# Altium PCB EDA-04211-V4_0_pcb.pcbdoc (part 2 of 12)
Units mm, origin at the board's own origin, x right, y up, seen from the top; angles counter-clockwise.
Board outline 304.8 x 128.5 mm, 14 copper layers (Top Layer, L2, L3GND, L4, L5GND, L6, L7GND, L8, L9GND, L10, L11GND, L12, L13GND, Bottom Layer), stack 4.06 mm thick; 143 components, 1224 nets, 5334 pads, 591 vias.
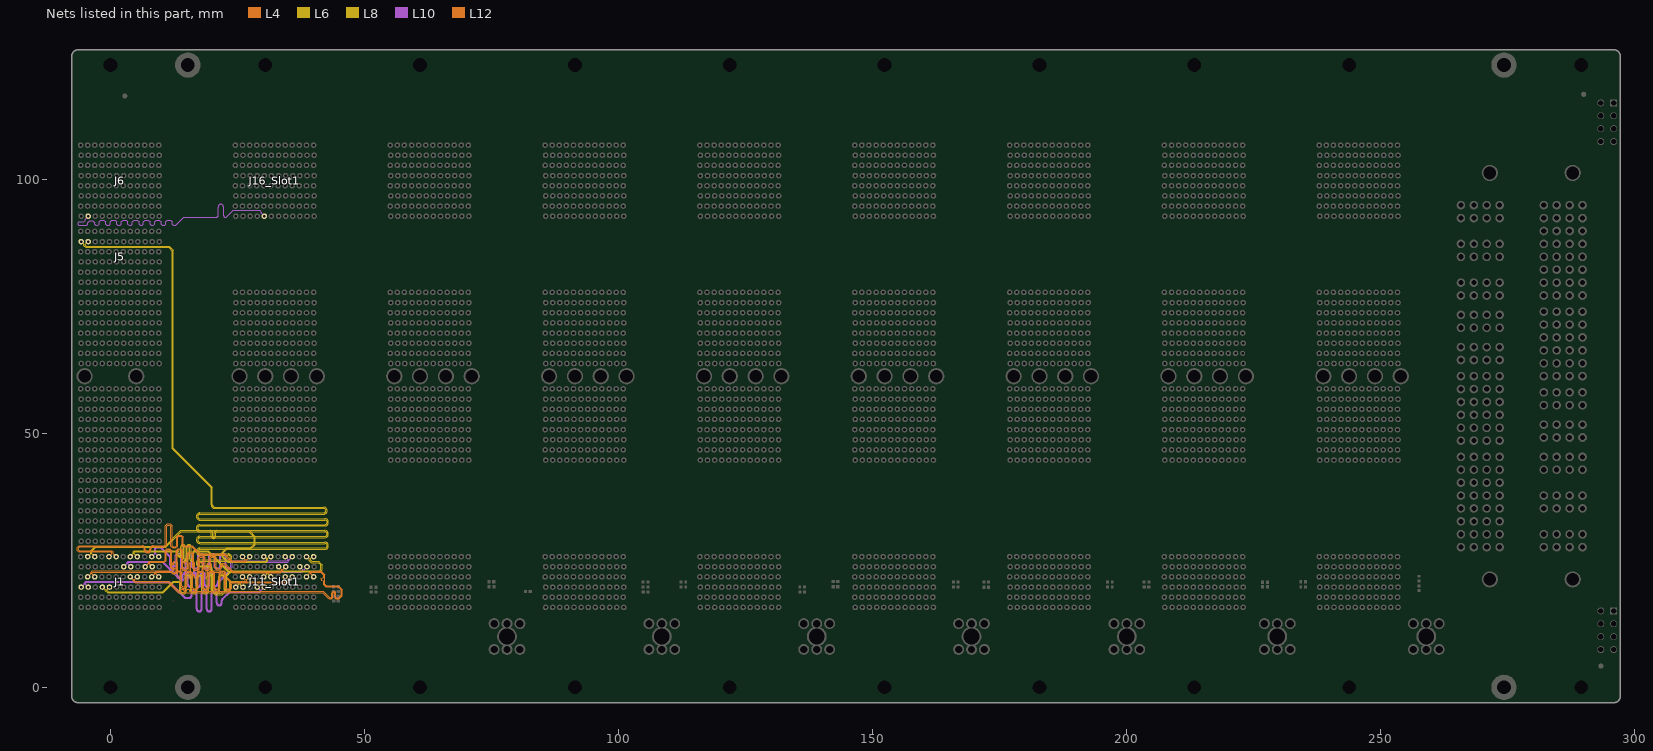
[diagram p14: the nets of this part, all layers, seen from the top]

## Classes and differential pairs (continued)
differential pair 3_DIFF_7: +3_DIFF_7_P -3_DIFF_7_N
differential pair 3_DIFF_6: +3_DIFF_6_P -3_DIFF_6_N
differential pair 3_DIFF_5: +3_DIFF_5_P -3_DIFF_5_N
differential pair 3_DIFF_4: +3_DIFF_4_P -3_DIFF_4_N
differential pair 3_DIFF_3: +3_DIFF_3_P -3_DIFF_3_N
differential pair 3_DIFF_2: +3_DIFF_2_P -3_DIFF_2_N
differential pair 3_DIFF_1: +3_DIFF_1_P -3_DIFF_1_N
differential pair 3_DIFF_0: +3_DIFF_0_P -3_DIFF_0_N
differential pair 3_CLK: +3_CLK_P -3_CLK_N
differential pair 2_MGT_Tx: +2_MGT_Tx_P -2_MGT_Tx_N
differential pair 2_MGT_Rx: +2_MGT_Rx_P -2_MGT_Rx_N
differential pair 2_DIFF_14: +2_DIFF_14_P -2_DIFF_14_N
differential pair 2_DIFF_13: +2_DIFF_13_P -2_DIFF_13_N
differential pair 2_DIFF_12: +2_DIFF_12_P -2_DIFF_12_N
differential pair 2_DIFF_11: +2_DIFF_11_P -2_DIFF_11_N
differential pair 2_DIFF_10: +2_DIFF_10_P -2_DIFF_10_N
differential pair 2_DIFF_9: +2_DIFF_9_P -2_DIFF_9_N
differential pair 2_DIFF_8: +2_DIFF_8_P -2_DIFF_8_N
differential pair 2_DIFF_7: +2_DIFF_7_P -2_DIFF_7_N
differential pair 2_DIFF_6: +2_DIFF_6_P -2_DIFF_6_N
differential pair 2_DIFF_5: +2_DIFF_5_P -2_DIFF_5_N
differential pair 2_DIFF_4: +2_DIFF_4_P -2_DIFF_4_N
differential pair 2_DIFF_3: +2_DIFF_3_P -2_DIFF_3_N
differential pair 2_DIFF_2: +2_DIFF_2_P -2_DIFF_2_N
differential pair 2_DIFF_1: +2_DIFF_1_P -2_DIFF_1_N
differential pair 2_DIFF_0: +2_DIFF_0_P -2_DIFF_0_N
differential pair 2_CLK: +2_CLK_P -2_CLK_N
differential pair 1_MGT_Tx: +1_MGT_Tx_P -1_MGT_Tx_N
differential pair 1_MGT_Rx: +1_MGT_Rx_P -1_MGT_Rx_N
differential pair 1_DIFF_14: +1_DIFF_14_P -1_DIFF_14_N
differential pair 1_DIFF_13: +1_DIFF_13_P -1_DIFF_13_N
differential pair 1_DIFF_12: +1_DIFF_12_P -1_DIFF_12_N
differential pair 1_DIFF_11: +1_DIFF_11_P -1_DIFF_11_N
differential pair 1_DIFF_10: +1_DIFF_10_P -1_DIFF_10_N
differential pair 1_DIFF_9: +1_DIFF_9_P -1_DIFF_9_N
differential pair 1_DIFF_8: +1_DIFF_8_P -1_DIFF_8_N
differential pair 1_DIFF_6: +1_DIFF_6_P -1_DIFF_6_N
differential pair 1_DIFF_5: +1_DIFF_5_P -1_DIFF_5_N
differential pair 1_DIFF_4: +1_DIFF_4_P -1_DIFF_4_N
differential pair 1_DIFF_3: +1_DIFF_3_P -1_DIFF_3_N
differential pair 1_DIFF_2: +1_DIFF_2_P -1_DIFF_2_N
differential pair 1_DIFF_1: +1_DIFF_1_P -1_DIFF_1_N
differential pair 1_DIFF_0: +1_DIFF_0_P -1_DIFF_0_N
differential pair 1_CLK: +1_CLK_P -1_CLK_N

## Components (designator, comment, footprint, x,y, rotation, side; value= is the part's Value field where it differs from the comment)
B1 "Non Plated Hole" MTG270_500_NPTH_8FCVIAS_BOTSM 15.24,0 r90 bottom
B2 "Non Plated Hole" MTG270_500_NPTH_8FCVIAS_BOTSM 15.24,122.5 r90 bottom
B3 "Non Plated Hole" MTG270_500_NPTH_8FCVIAS_BOTSM 274.32,0 r90 bottom
B4 "Non Plated Hole" MTG270_500_NPTH_8FCVIAS_BOTSM 274.32,122.5 r90 bottom
B5 "Non Plated Hole" MTG270 213.36,122.5 r90 top
B6 "Non Plated Hole" MTG270 243.84,122.5 r90 top
B7 "Non Plated Hole" MTG270 289.56,122.5 r90 top
B8 "Non Plated Hole" MTG270 91.44,0 r90 top
B9 "Non Plated Hole" MTG270 91.44,122.5 r90 top
B10 "Non Plated Hole" MTG270 121.92,122.5 r90 top
B11 "Non Plated Hole" MTG270 152.4,122.5 r90 top
B12 "Non Plated Hole" MTG270 182.88,122.5 r90 top
B13 "Non Plated Hole" MTG270 60.96,122.5 r90 top
B14 "Non Plated Hole" MTG270 0,0 r90 top
B15 "Non Plated Hole" MTG270 30.48,0 r90 top
B16 "Non Plated Hole" MTG270 60.96,0 r90 top
B17 "Non Plated Hole" MTG270 0,122.5 r90 top
B18 "Non Plated Hole" MTG270 289.56,0 r90 top
B19 "Non Plated Hole" MTG270 121.92,0 r90 top
B20 "Non Plated Hole" MTG270 30.48,122.5 r90 top
B21 "Non Plated Hole" MTG270 152.4,0 r90 top
B22 "Non Plated Hole" MTG270 182.88,0 r90 top
B23 "Non Plated Hole" MTG270 213.36,0 r90 top
B24 "Non Plated Hole" MTG270 243.84,0 r90 top
BUSH1 "M3" WURTH_7461057 229.703,10 r180 bottom
BUSH2 "M3" WURTH_7461057 169.51,10 r180 bottom
BUSH3 "M3" WURTH_7461057 259.024,10 r180 bottom
BUSH4 "M3" WURTH_7461057 200.087,10 r180 bottom
BUSH5 "M3" WURTH_7461057 78.07,10 r180 bottom
BUSH6 "M3" WURTH_7461057 108.55,10 r180 bottom
BUSH7 "M3" WURTH_7461057 139.03,10 r180 bottom
C1 "10nF" CAPC1005X55N 44.4,17 r180 top
C2 "10nF" CAPC1005X55N 44.401,17.932 r180 top
C3 "10nF" CAPC1005X55N 44.4,18.9 r180 top
C4 "10nF" CAPC1005X55N 142.728,19.82 r180 top
C5 "10nF" CAPC1005X55N 142.734,20.823 r180 top
C6 "10nF" CAPC1005X55N 172.422,20.747 r180 top
C7 "10nF" CAPC1005X55N 51.803,18.75 r0 top
C8 "10nF" CAPC1005X55N 75,20.8 r180 top
C9 "10nF" CAPC1005X55N 82.184,18.854 r0 top
C10 "10nF" CAPC1005X55N 203.948,19.727 r180 top
C11 "10nF" CAPC1005X55N 105.347,18.784 r180 top
C12 "10nF" CAPC1005X55N 136.169,18.778 r180 top
FTG1 "Use only in PCB" FIDUCIAL_TOP_C100-200 290.02,116.75 r90 top
FTG2 "Use only in PCB" FIDUCIAL_TOP_C100-200 293.4,4.2 r90 top
FTG3 "Use only in PCB" FIDUCIAL_TOP_C100-200 2.839,116.419 r90 top
GUIDE1 "CPCI-S Guide" EDA-04126-V1-0 35.56,61.25 r180 bottom
GUIDE2 "CPCI-S Guide" EDA-04126-V1-0 66.04,61.25 r180 bottom
GUIDE3 "CPCI-S Guide" EDA-04126-V1-0 96.52,61.25 r180 bottom
GUIDE4 "CPCI-S Guide" EDA-04126-V1-0 127,61.25 r180 bottom
GUIDE5 "CPCI-S Guide" EDA-04126-V1-0 157.48,61.25 r180 bottom
GUIDE6 "CPCI-S Guide" EDA-04126-V1-0 187.96,61.25 r180 bottom
GUIDE7 "CPCI-S Guide" EDA-04126-V1-0 218.44,61.25 r180 bottom
GUIDE8 "CPCI-S Guide" EDA-04126-V1-0 248.92,61.25 r180 bottom
GUIDE9 "CPCI-S Guide" EDA-04126-V1-0 0,61.25 r0 top
GUIDE10 "CPCI-S Guide" EDA-04126-V1-0 30.48,61.25 r0 top
GUIDE11 "CPCI-S Guide" EDA-04126-V1-0 60.96,61.25 r0 top
GUIDE12 "CPCI-S Guide" EDA-04126-V1-0 91.44,61.25 r0 top
GUIDE13 "CPCI-S Guide" EDA-04126-V1-0 121.94,61.25 r0 top
GUIDE14 "CPCI-S Guide" EDA-04126-V1-0 152.4,61.25 r0 top
GUIDE15 "CPCI-S Guide" EDA-04126-V1-0 182.88,61.25 r0 top
GUIDE16 "CPCI-S Guide" EDA-04126-V1-0 213.36,61.25 r0 top
GUIDE17 "CPCI-S Guide" EDA-04126-V1-0 243.84,61.25 r0 top
J1 "AirMax VS" AMPHENOL_10052829-101LF 1.87,20.75 r270 top
J2 "AirMax VS" AMPHENOL_10052842-101LF#1 1.87,35.75 r270 top
J3 "AirMax VS" AMPHENOL_10052842-101LF#1 1.87,51.75 r270 top
J4 "AirMax VS" AMPHENOL_10052842-101LF#1 1.87,70.75 r270 top
J5 "AirMax VS" AMPHENOL_10052829-101LF 1.87,84.75 r270 top
J6 "AirMax VS" AMPHENOL_10052842-101LF#1 1.87,99.75 r270 top
J7 "PwrBlade" AMPHENOL_51940-650 282.16,94.92 r180 bottom locked
J8 "PwrBlade" AMPHENOL_51940-650 265.85,27.6 r180 top locked
J9 "BCS-104-L-D-TE" SAMTEC_BCS-104-L-D-TE 294.652,111.25 r90 top
J10 "BCS-104-L-D-TE" SAMTEC_BCS-104-L-D-TE 294.652,11.25 r90 top
J11_Slot1 "AirMax VS" AMPHENOL_10052829-101LF 32.35,20.75 r270 top (schematic designator J11)
J11_Slot2 "AirMax VS" AMPHENOL_10052829-101LF 62.83,20.75 r270 top (schematic designator J11)
J11_Slot3 "AirMax VS" AMPHENOL_10052829-101LF 93.31,20.75 r270 top (schematic designator J11)
J11_Slot4 "AirMax VS" AMPHENOL_10052829-101LF 123.79,20.75 r270 top (schematic designator J11)
J11_Slot5 "AirMax VS" AMPHENOL_10052829-101LF 154.27,20.75 r270 top (schematic designator J11)
J11_Slot6 "AirMax VS" AMPHENOL_10052829-101LF 184.75,20.75 r270 top (schematic designator J11)
J11_Slot7 "AirMax VS" AMPHENOL_10052829-101LF 215.23,20.75 r270 top (schematic designator J11)
J11_Slot8 "AirMax VS" AMPHENOL_10052829-101LF 245.71,20.75 r270 top (schematic designator J11)
J13_Slot1 "AirMax VS" AMPHENOL_10052842-101LF#1 32.35,51.75 r270 top locked (schematic designator J13)
J13_Slot2 "AirMax VS" AMPHENOL_10052842-101LF#1 62.83,51.75 r270 top locked (schematic designator J13)
J13_Slot3 "AirMax VS" AMPHENOL_10052842-101LF#1 93.31,51.75 r270 top locked (schematic designator J13)
J13_Slot4 "AirMax VS" AMPHENOL_10052842-101LF#1 123.79,51.75 r270 top locked (schematic designator J13)
J13_Slot5 "AirMax VS" AMPHENOL_10052842-101LF#1 154.27,51.75 r270 top locked (schematic designator J13)
J13_Slot6 "AirMax VS" AMPHENOL_10052842-101LF#1 184.75,51.75 r270 top locked (schematic designator J13)
J13_Slot7 "AirMax VS" AMPHENOL_10052842-101LF#1 215.23,51.75 r270 top locked (schematic designator J13)
J13_Slot8 "AirMax VS" AMPHENOL_10052842-101LF#1 245.71,51.75 r270 top locked (schematic designator J13)
J14_Slot1 "AirMax VS" AMPHENOL_10052842-101LF#1 32.35,70.75 r270 top (schematic designator J14)
J14_Slot2 "AirMax VS" AMPHENOL_10052842-101LF#1 62.83,70.75 r270 top (schematic designator J14)
J14_Slot3 "AirMax VS" AMPHENOL_10052842-101LF#1 93.31,70.75 r270 top (schematic designator J14)
J14_Slot4 "AirMax VS" AMPHENOL_10052842-101LF#1 123.79,70.75 r270 top (schematic designator J14)
J14_Slot5 "AirMax VS" AMPHENOL_10052842-101LF#1 154.27,70.75 r270 top (schematic designator J14)
J14_Slot6 "AirMax VS" AMPHENOL_10052842-101LF#1 184.75,70.75 r270 top (schematic designator J14)
J14_Slot7 "AirMax VS" AMPHENOL_10052842-101LF#2 215.23,70.75 r270 top (schematic designator J14)
J14_Slot8 "AirMax VS" AMPHENOL_10052842-101LF#1 245.71,70.75 r270 top (schematic designator J14)
J16_Slot1 "AirMax VS" AMPHENOL_10052842-101LF#1 32.35,99.75 r270 top (schematic designator J16)
J16_Slot2 "AirMax VS" AMPHENOL_10052842-101LF#1 62.83,99.75 r270 top (schematic designator J16)
J16_Slot3 "AirMax VS" AMPHENOL_10052842-101LF#1 93.31,99.75 r270 top (schematic designator J16)
J16_Slot4 "AirMax VS" AMPHENOL_10052842-101LF#1 123.79,99.75 r270 top (schematic designator J16)
J16_Slot5 "AirMax VS" AMPHENOL_10052842-101LF#1 154.27,99.75 r270 top (schematic designator J16)
J16_Slot6 "AirMax VS" AMPHENOL_10052842-101LF#1 184.75,99.75 r270 top (schematic designator J16)
J16_Slot7 "AirMax VS" AMPHENOL_10052842-101LF#1 215.23,99.75 r270 top (schematic designator J16)
J16_Slot8 "AirMax VS" AMPHENOL_10052842-101LF#1 245.71,99.75 r270 top (schematic designator J16)
J23_Slot1 "AirMax VS" AMPHENOL_10114760-101LF#1 32.35,51.75 r90 bottom locked (schematic designator J23)
J23_Slot2 "AirMax VS" AMPHENOL_10114760-101LF#1 62.83,51.75 r90 bottom locked (schematic designator J23)
J23_Slot3 "AirMax VS" AMPHENOL_10114760-101LF#1 93.31,51.75 r90 bottom locked (schematic designator J23)
J23_Slot4 "AirMax VS" AMPHENOL_10114760-101LF#1 123.79,51.75 r90 bottom locked (schematic designator J23)
J23_Slot5 "AirMax VS" AMPHENOL_10114760-101LF#1 154.27,51.75 r90 bottom locked (schematic designator J23)
J23_Slot6 "AirMax VS" AMPHENOL_10114760-101LF#1 184.75,51.75 r90 bottom locked (schematic designator J23)
J23_Slot7 "AirMax VS" AMPHENOL_10114760-101LF#1 215.23,51.75 r90 bottom locked (schematic designator J23)
J23_Slot8 "AirMax VS" AMPHENOL_10114760-101LF#2 245.71,51.75 r90 bottom locked (schematic designator J23)
J24_Slot1 "AirMax VS" AMPHENOL_10114760-101LF#1 32.35,70.75 r90 bottom (schematic designator J24)
J24_Slot2 "AirMax VS" AMPHENOL_10114760-101LF#1 62.83,70.75 r90 bottom (schematic designator J24)
J24_Slot3 "AirMax VS" AMPHENOL_10114760-101LF#1 93.31,70.75 r90 bottom (schematic designator J24)
J24_Slot4 "AirMax VS" AMPHENOL_10114760-101LF#1 123.79,70.75 r90 bottom (schematic designator J24)
J24_Slot5 "AirMax VS" AMPHENOL_10114760-101LF#1 154.27,70.75 r90 bottom (schematic designator J24)
J24_Slot6 "AirMax VS" AMPHENOL_10114760-101LF#1 184.75,70.75 r90 bottom locked (schematic designator J24)
J24_Slot7 "AirMax VS" AMPHENOL_10114760-101LF#1 215.23,70.75 r90 bottom (schematic designator J24)
J24_Slot8 "AirMax VS" AMPHENOL_10114760-101LF#2 245.71,70.75 r90 bottom locked (schematic designator J24)
NT1 "Net Tie" "Net Tie" 12.58,17 r180 bottom net-tie
NT2 "Net Tie" "Net Tie" 12.618,15.784 r180 bottom net-tie
R1 "1k" RESC1005X40N 44.4,19.8 r180 top
R2 "1k" RESC1005X40N 51.8,19.7 r0 top
R3 "1k" RESC1005X40N 75,19.8 r180 top
R4 "1k" RESC1005X40N 105.347,20.765 r180 top
R5 "1k" RESC1005X40N 105.334,19.775 r180 top
R6 "1k" RESC1005X40N 112.788,20.734 r0 top
R7 "1k" RESC1005X40N 112.788,19.744 r0 top
R8 "1k" RESC1005X40N 136.169,19.744 r180 top
R9 "1k" RESC1005X40N 166.396,20.747 r0 top
R10 "1k" RESC1005X40N 166.396,19.744 r0 top
R11 "1k" RESC1005X40N 172.4,19.7 r180 top
R12 "1k" RESC1005X40N 196.744,20.709 r0 top
R13 "1k" RESC1005X40N 196.745,19.735 r0 top
R14 "1k" RESC1005X40N 203.942,20.734 r180 top
R15 "1k" RESC1005X40N 227.3,20.7 r0 top
R16 "1k" RESC1005X40N 227.3,19.8 r0 top
R17 "1k" RESC1005X40N 234.79,19.756 r180 top
R18 "1k" RESC1005X40N 234.79,20.785 r180 top
R19 "1k" RESC1005X40N 257.6,21.4 r90 top
R20 "1k" RESC1005X40N 257.6,19.5 r270 top

## Footprints (in the part's own frame and the unit in brackets; to place one, negate y for a bottom-side part, rotate by r counter-clockwise, add the part's x,y. Pads: shape width x height; smd on the part's side, far side on the other; paste and mask are expansions set on the pad)
AMPHENOL_51940-650 [mm] "Vertical PowerBlade Power Connector 3ACP + 2P + 24S + 4DCP Contacts"
  round 1.7 hole 1: A1(-7.62,-33.66) A2(-7.62,-31.12) A3(-7.62,-28.58) A4(-7.62,-26.04) A5(-7.62,-23.5) A6(-7.62,-20.96) B1(-5.08,-33.66) B2(-5.08,-31.12) B3(-5.08,-28.58) B4(-5.08,-26.04) B5(-5.08,-23.5) B6(-5.08,-20.96) C1(-2.54,-33.66) C2(-2.54,-31.12) C3(-2.54,-28.58) C4(-2.54,-26.04) C5(-2.54,-23.5) C6(-2.54,-20.96) D1(0,-33.66) D2(0,-31.12) D3(0,-28.58) D4(0,-26.04) D5(0,-23.5) D6(0,-20.96) P1(-7.62,-67.32) P1(-7.62,-64.78) P1(-5.08,-67.32) P1(-5.08,-64.78) P1(-2.54,-67.32) P1(-2.54,-64.78) P1(0,-67.32) P1(0,-64.78) P2(-7.62,-59.7) P2(-7.62,-57.16) P2(-5.08,-59.7) P2(-5.08,-57.16) P2(-2.54,-59.7) P2(-2.54,-57.16) P2(0,-59.7) P2(0,-57.16) P3(-7.62,-52.08) P3(-7.62,-49.54) P3(-5.08,-52.08) P3(-5.08,-49.54) P3(-2.54,-52.08) P3(-2.54,-49.54) P3(0,-52.08) P3(0,-49.54) P4(-7.62,-45.73) P4(-7.62,-43.19) P4(-5.08,-45.73) P4(-5.08,-43.19) P4(-2.54,-45.73) P4(-2.54,-43.19) P4(0,-45.73) P4(0,-43.19) P5(-7.62,-39.38) P5(-7.62,-36.84) P5(-5.08,-39.38) P5(-5.08,-36.84) P5(-2.54,-39.38) P5(-2.54,-36.84) P5(0,-39.38) P5(0,-36.84) P6(-7.62,-17.78) P6(-7.62,-15.24) P6(-5.08,-17.78) P6(-5.08,-15.24) P6(-2.54,-17.78) P6(-2.54,-15.24) P6(0,-17.78) P6(0,-15.24) P7(-7.62,-12.7) P7(-7.62,-10.16) P7(-5.08,-12.7) P7(-5.08,-10.16) P7(-2.54,-12.7) P7(-2.54,-10.16) P7(0,-12.7) P7(0,-10.16) P8(-7.62,-7.62) P8(-7.62,-5.08) P8(-5.08,-7.62) P8(-5.08,-5.08) P8(-2.54,-7.62) P8(-2.54,-5.08) P8(0,-7.62) P8(0,-5.08) P9(-7.62,-2.54) P9(-7.62,0) P9(-5.08,-2.54) P9(-5.08,0) P9(-2.54,-2.54) P9(-2.54,0) P9(0,-2.54) P9(0,0)
  round 3.2 hole 2.5 unplated: MTG1(-5.69,6.345) MTG2(-5.69,-73.665)
  silkscreen extent -8.99,-77.48 2.95,10.15, body extent -8.99,-77.48 2.95,10.16, height 17.02
AMPHENOL_10052829-101LF [mm] "72 Contacts, 2mm Pitch, 6 Columns, 4 Pairs per Column, Vertical Receptacle"
  round 1.1 hole 0.5: A1(5,-7.65) A2(3,-7.75) A3(1,-7.65) A4(-1,-7.75) A5(-3,-7.65) A6(-5,-7.75) B1(5,-6.25) B2(3,-6.35) B3(1,-6.25) B4(-1,-6.35) B5(-3,-6.25) B6(-5,-6.35) C1(5,-4.85) C2(3,-4.95) C3(1,-4.85) C4(-1,-4.95) C5(-3,-4.85) C6(-5,-4.95) D1(5,-3.45) D2(3,-3.55) D3(1,-3.45) D4(-1,-3.55) D5(-3,-3.45) D6(-5,-3.55) E1(5,-2.05) E2(3,-2.15) E3(1,-2.05) E4(-1,-2.15) E5(-3,-2.05) E6(-5,-2.15) F1(5,-0.65) F2(3,-0.75) F3(1,-0.65) F4(-1,-0.75) F5(-3,-0.65) F6(-5,-0.75) G1(5,0.75) G2(3,0.65) G3(1,0.75) G4(-1,0.65) G5(-3,0.75) G6(-5,0.65) H1(5,2.15) H2(3,2.05) H3(1,2.15) H4(-1,2.05) H5(-3,2.15) H6(-5,2.05) I1(5,3.55) I2(3,3.45) I3(1,3.55) I4(-1,3.45) I5(-3,3.55) I6(-5,3.45) J1(5,4.95) J2(3,4.85) J3(1,4.95) J4(-1,4.85) J5(-3,4.95) J6(-5,4.85) K1(5,6.35) K2(3,6.25) K3(1,6.35) K4(-1,6.25) K5(-3,6.35) K6(-5,6.25) L1(5,7.75) L2(3,7.65) L3(1,7.75) L4(-1,7.65) L5(-3,7.75) L6(-5,7.65)
  silkscreen extent -5.95,-9.45 5.95,9.45, body extent -5.95,-9.45 5.95,9.45, height 10.7
AMPHENOL_10052842-101LF#1 [mm] "96 Contacts, 2mm Pitch, 8 Columns, 4 Pairs per Column, Vertical Receptacle"
  round 1.1 hole 0.5: A1(7,-7.65) A2(5,-7.75) A3(3,-7.65) A4(1,-7.75) A5(-1,-7.65) A6(-3,-7.75) A7(-5,-7.65) A8(-7,-7.75) B1(7,-6.25) B2(5,-6.35) B3(3,-6.25) B4(1,-6.35) B5(-1,-6.25) B6(-3,-6.35) B7(-5,-6.25) B8(-7,-6.35) C1(7,-4.85) C2(5,-4.95) C3(3,-4.85) C4(1,-4.95) C5(-1,-4.85) C6(-3,-4.95) C7(-5,-4.85) C8(-7,-4.95) D1(7,-3.45) D2(5,-3.55) D3(3,-3.45) D4(1,-3.55) D5(-1,-3.45) D6(-3,-3.55) D7(-5,-3.45) D8(-7,-3.55) E1(7,-2.05) E2(5,-2.15) E3(3,-2.05) E4(1,-2.15) E5(-1,-2.05) E6(-3,-2.15) E7(-5,-2.05) E8(-7,-2.15) F1(7,-0.65) F2(5,-0.75) F3(3,-0.65) F4(1,-0.75) F5(-1,-0.65) F6(-3,-0.75) F7(-5,-0.65) F8(-7,-0.75) G1(7,0.75) G2(5,0.65) G3(3,0.75) G4(1,0.65) G5(-1,0.75) G6(-3,0.65) G7(-5,0.75) G8(-7,0.65) H1(7,2.15) H2(5,2.05) H3(3,2.15) H4(1,2.05) H5(-1,2.15) H6(-3,2.05) H7(-5,2.15) H8(-7,2.05) I1(7,3.55) I2(5,3.45) I3(3,3.55) I4(1,3.45) I5(-1,3.55) I6(-3,3.45) I7(-5,3.55) I8(-7,3.45) J1(7,4.95) J2(5,4.85) J3(3,4.95) J4(1,4.85) J5(-1,4.95) J6(-3,4.85) J7(-5,4.95) J8(-7,4.85) K1(7,6.35) K2(5,6.25) K3(3,6.35) K4(1,6.25) K5(-1,6.35) K6(-3,6.25) K7(-5,6.35) K8(-7,6.25) L1(7,7.75) L2(5,7.65) L3(3,7.75) L4(1,7.65) L5(-1,7.75) L6(-3,7.65) L7(-5,7.75) L8(-7,7.65)
  silkscreen extent -7.95,-9.45 7.95,9.45, body extent -7.95,-9.45 7.95,9.45, height 10.7
AMPHENOL_10052842-101LF#2 [mm] "96 Contacts, 2mm Pitch, 8 Columns, 4 Pairs per Column, Vertical Receptacle"
  round 1.1 hole 0.5: A1(7,-7.65) A2(5,-7.75) A3(3,-7.65) A4(1,-7.75) A5(-1,-7.65) A6(-3,-7.75) A7(-5,-7.65) A8(-7,-7.75) B1(7,-6.25) B2(5,-6.35) B3(3,-6.25) B4(1,-6.35) B5(-1,-6.25) B6(-3,-6.35) B7(-5,-6.25) B8(-7,-6.35) C1(7,-4.85) C2(5,-4.95) C3(3,-4.85) C4(1,-4.95) C5(-1,-4.85) C6(-3,-4.95) C7(-5,-4.85) C8(-7,-4.95) D1(7,-3.45) D2(5,-3.55) D3(3,-3.45) D4(1,-3.55) D5(-1,-3.45) D6(-3,-3.55) D7(-5,-3.45) D8(-7,-3.55) E1(7,-2.05) E2(5,-2.15) E3(3,-2.05) E4(1,-2.15) E5(-1,-2.05) E6(-3,-2.15) E7(-5,-2.05) E8(-7,-2.15) F1(7,-0.65) F2(5,-0.75) F3(3,-0.65) F4(1,-0.75) F5(-1,-0.65) F6(-3,-0.75) F7(-5,-0.65) F8(-7,-0.75) G1(7,0.75) G2(5,0.65) G3(3,0.75) G4(1,0.65) G5(-1,0.75) G6(-3,0.65) G7(-5,0.75) G8(-7,0.65) H1(7,2.15) H2(5,2.05) H3(3,2.15) H4(1,2.05) H5(-1,2.15) H6(-3,2.05) H7(-5,2.15) H8(-7,2.05) I1(7,3.55) I2(5,3.45) I3(3,3.55) I4(1,3.45) I5(-1,3.55) I6(-3,3.45) I7(-5,3.55) I8(-7,3.45) J1(7,4.95) J2(5,4.85) J3(3,4.95) J4(1,4.85) J5(-1,4.95) J6(-3,4.85) J7(-5,4.95) J8(-7,4.85) K1(7,6.35) K2(5,6.25) K3(3,6.35) K4(1,6.25) K5(-1,6.35) K6(-3,6.25) K7(-5,6.35) K8(-7,6.25) L1(7,7.75) L3(3,7.75) L4(1,7.65) L5(-1,7.75) L6(-3,7.65) L7(-5,7.75) L8(-7,7.65)
  round 1 hole 0.5: L2(5,7.65)
  silkscreen extent -7.95,-9.45 7.95,9.45, body extent -7.95,-9.45 7.95,9.45, height 10.7
AMPHENOL_10114760-101LF#1 [mm] "96 Contacts, 2mm Pitch, 8 Columns, 4 Pairs per Column, 2 Walls Vertical Header"
  round 0.3 smd: A1(-7,-7.65) A2(-5,-7.75) A3(-3,-7.65) A4(-1,-7.75) A5(1,-7.65) A6(3,-7.75) A7(5,-7.65) A8(7,-7.75) B1(-7,-6.25) B2(-5,-6.35) B3(-3,-6.25) B4(-1,-6.35) B5(1,-6.25) B6(3,-6.35) B7(5,-6.25) B8(7,-6.35) C1(-7,-4.85) C2(-5,-4.95) C3(-3,-4.85) C4(-1,-4.95) C5(1,-4.85) C6(3,-4.95) C7(5,-4.85) C8(7,-4.95) D1(-7,-3.45) D2(-5,-3.55) D3(-3,-3.45) D4(-1,-3.55) D5(1,-3.45) D6(3,-3.55) D7(5,-3.45) D8(7,-3.55) E1(-7,-2.05) E2(-5,-2.15) E3(-3,-2.05) E4(-1,-2.15) E5(1,-2.05) E6(3,-2.15) E7(5,-2.05) E8(7,-2.15) F1(-7,-0.65) F2(-5,-0.75) F3(-3,-0.65) F4(-1,-0.75) F5(1,-0.65) F6(3,-0.75) F7(5,-0.65) F8(7,-0.75) G1(-7,0.75) G2(-5,0.65) G3(-3,0.75) G4(-1,0.65) G5(1,0.75) G6(3,0.65) G7(5,0.75) G8(7,0.65) H1(-7,2.15) H2(-5,2.05) H3(-3,2.15) H4(-1,2.05) H5(1,2.15) H6(3,2.05) H7(5,2.15) H8(7,2.05) I1(-7,3.55) I2(-5,3.45) I3(-3,3.55) I4(-1,3.45) I5(1,3.55) I6(3,3.45) I7(5,3.55) I8(7,3.45) J1(-7,4.95) J2(-5,4.85) J3(-3,4.95) J4(-1,4.85) J5(1,4.95) J6(3,4.85) J7(5,4.95) J8(7,4.85) K1(-7,6.35) K2(-5,6.25) K3(-3,6.35) K4(-1,6.25) K5(1,6.35) K6(3,6.25) K7(5,6.35) K8(7,6.25) L1(-7,7.75) L2(-5,7.65) L3(-3,7.75) L4(-1,7.65) L5(1,7.75) L6(3,7.65) L7(5,7.75) L8(7,7.65)
  silkscreen extent -7.95,-10.07 7.95,10.07, body extent -7.95,-10.07 7.95,10.08, height 12.45
AMPHENOL_10114760-101LF#2 [mm] "96 Contacts, 2mm Pitch, 8 Columns, 4 Pairs per Column, 2 Walls Vertical Header"
  round 1.1 hole 0.5: A1(-7,-7.65) A2(-5,-7.75) A3(-3,-7.65) A4(-1,-7.75) A5(1,-7.65) A6(3,-7.75) A7(5,-7.65) A8(7,-7.75) B1(-7,-6.25) B2(-5,-6.35) B3(-3,-6.25) B4(-1,-6.35) B5(1,-6.25) B6(3,-6.35) B7(5,-6.25) B8(7,-6.35) C1(-7,-4.85) C2(-5,-4.95) C3(-3,-4.85) C4(-1,-4.95) C5(1,-4.85) C6(3,-4.95) C7(5,-4.85) C8(7,-4.95) D1(-7,-3.45) D2(-5,-3.55) D3(-3,-3.45) D4(-1,-3.55) D5(1,-3.45) D6(3,-3.55) D7(5,-3.45) D8(7,-3.55) E1(-7,-2.05) E2(-5,-2.15) E3(-3,-2.05) E4(-1,-2.15) E5(1,-2.05) E6(3,-2.15) E7(5,-2.05) E8(7,-2.15) F1(-7,-0.65) F2(-5,-0.75) F3(-3,-0.65) F4(-1,-0.75) F5(1,-0.65) F6(3,-0.75) F7(5,-0.65) F8(7,-0.75) G1(-7,0.75) G2(-5,0.65) G3(-3,0.75) G4(-1,0.65) G5(1,0.75) G6(3,0.65) G7(5,0.75) G8(7,0.65) H1(-7,2.15) H2(-5,2.05) H3(-3,2.15) H4(-1,2.05) H5(1,2.15) H6(3,2.05) H7(5,2.15) H8(7,2.05) I1(-7,3.55) I2(-5,3.45) I3(-3,3.55) I4(-1,3.45) I5(1,3.55) I6(3,3.45) I7(5,3.55) I8(7,3.45) J1(-7,4.95) J2(-5,4.85) J3(-3,4.95) J4(-1,4.85) J5(1,4.95) J6(3,4.85) J7(5,4.95) J8(7,4.85) K1(-7,6.35) K2(-5,6.25) K3(-3,6.35) K4(-1,6.25) K5(1,6.35) K6(3,6.25) K7(5,6.35) K8(7,6.25) L1(-7,7.75) L2(-5,7.65) L3(-3,7.75) L4(-1,7.65) L5(1,7.75) L6(3,7.65) L7(5,7.75) L8(7,7.65)
  silkscreen extent -7.95,-10.07 7.95,10.07, body extent -7.95,-10.07 7.95,10.08, height 12.45
CAPC1005X55N [mm] "Capacitor, Non-Polarized, Chip; 1.00mm L X 0.50mm W X 0.70mm H, IPC Medium Density"
  rect 0.62x0.62 smd: 1(-0.45,0) 2(0.45,0)
  body extent -0.52,-0.27 0.53,0.28, height 0.55
EDA-04126-V1-0 [mm] "PICMG CompactPCI Serial Backplane Guide Element"
  round 3.2 hole 2.5: 1(-5.08,0) 2(5.08,0)
  silkscreen extent -7.46,-1 12.54,1, body extent -7.46,-1 12.54,1, height 25
FIDUCIAL_TOP_C100-200 [mm] "Round Fiducial Target, Top Layer, 1.0mm, Top Solder 2.0mm, Keepout =2.0mm"
  round 1 smd paste-0.51 mask+0.5: FTG2(0,0)
  Top Layer keep-out circle w0.1: c0,0 r1
MTG270 [mm] "Non Plated Through Hole: Hole Dia.=2.7mm"
  round 0.5 hole 2.7 unplated mask+1.1: 1(0,0)
MTG270_500_NPTH_8FCVIAS_BOTSM [mm] "Unplated Through Hole: Hole Dia.=2.7mm Pad Dia.=5.0mm with 8 vias filled and capped and soldermask on Bottom."
  round 5 hole 2.7 mask-2539.97: 1(0,0)
"Net Tie" [mil] "SMD Net Tie"
  rect 5x5 smd paste-2.5 mask-2.5: 1(0,0) 2(10,0)
  Top Layer lines w5: 10,0 0,0
RESC1005X40N [mm] "Chip Resistor, EIA 0402, Metric 1005, Body 1.0x0.5mm, IPC Medium Density"
  rect 0.58x0.62 smd: 1(-0.47,0) 2(0.47,0)
  body extent -0.52,-0.27 0.53,0.28, height 0.4
SAMTEC_BCS-104-L-D-TE [mm]
  rect 1.37x1.37 / inner round 1.37 / far side rect 1.37x1.37 hole 1.02: 1(3.81,-1.27)
  round 1.37 hole 1.02: 2(3.81,1.27) 3(1.27,-1.27) 4(1.27,1.27) 5(-1.27,-1.27) 6(-1.27,1.27) 7(-3.81,-1.27) 8(-3.81,1.27)
  silkscreen extent -5.08,-2.54 5.83,2.54, body extent -5.08,-2.54 5.08,2.54, height 7.37
WURTH_7461057 [mm] "7x7x6mm REDCUBE Press-Fit with Internsl Threaded Hole M3,Two Rows Pin-Plate WP-BUTR"
  round 2.15 hole 1.45: 1(-2.54,-2.54) 1(-2.54,2.54) 1(0,-2.54) 1(0,2.54) 1(2.54,-2.54) 1(2.54,2.54)
  round 3.9 hole 3.1: 1(0,0)